# Altium PCB Copy of PCB1.PcbDoc (part 2 of 2)
Units mm, origin at the board's own origin, x right, y up, seen from the top; angles counter-clockwise.
Board outline 92 x 94 mm, 2 copper layers (Top Layer, Bottom Layer); 282 components, 201 nets, 653 pads, 133 vias.
Unrouted connection lines stored in the file: 8.
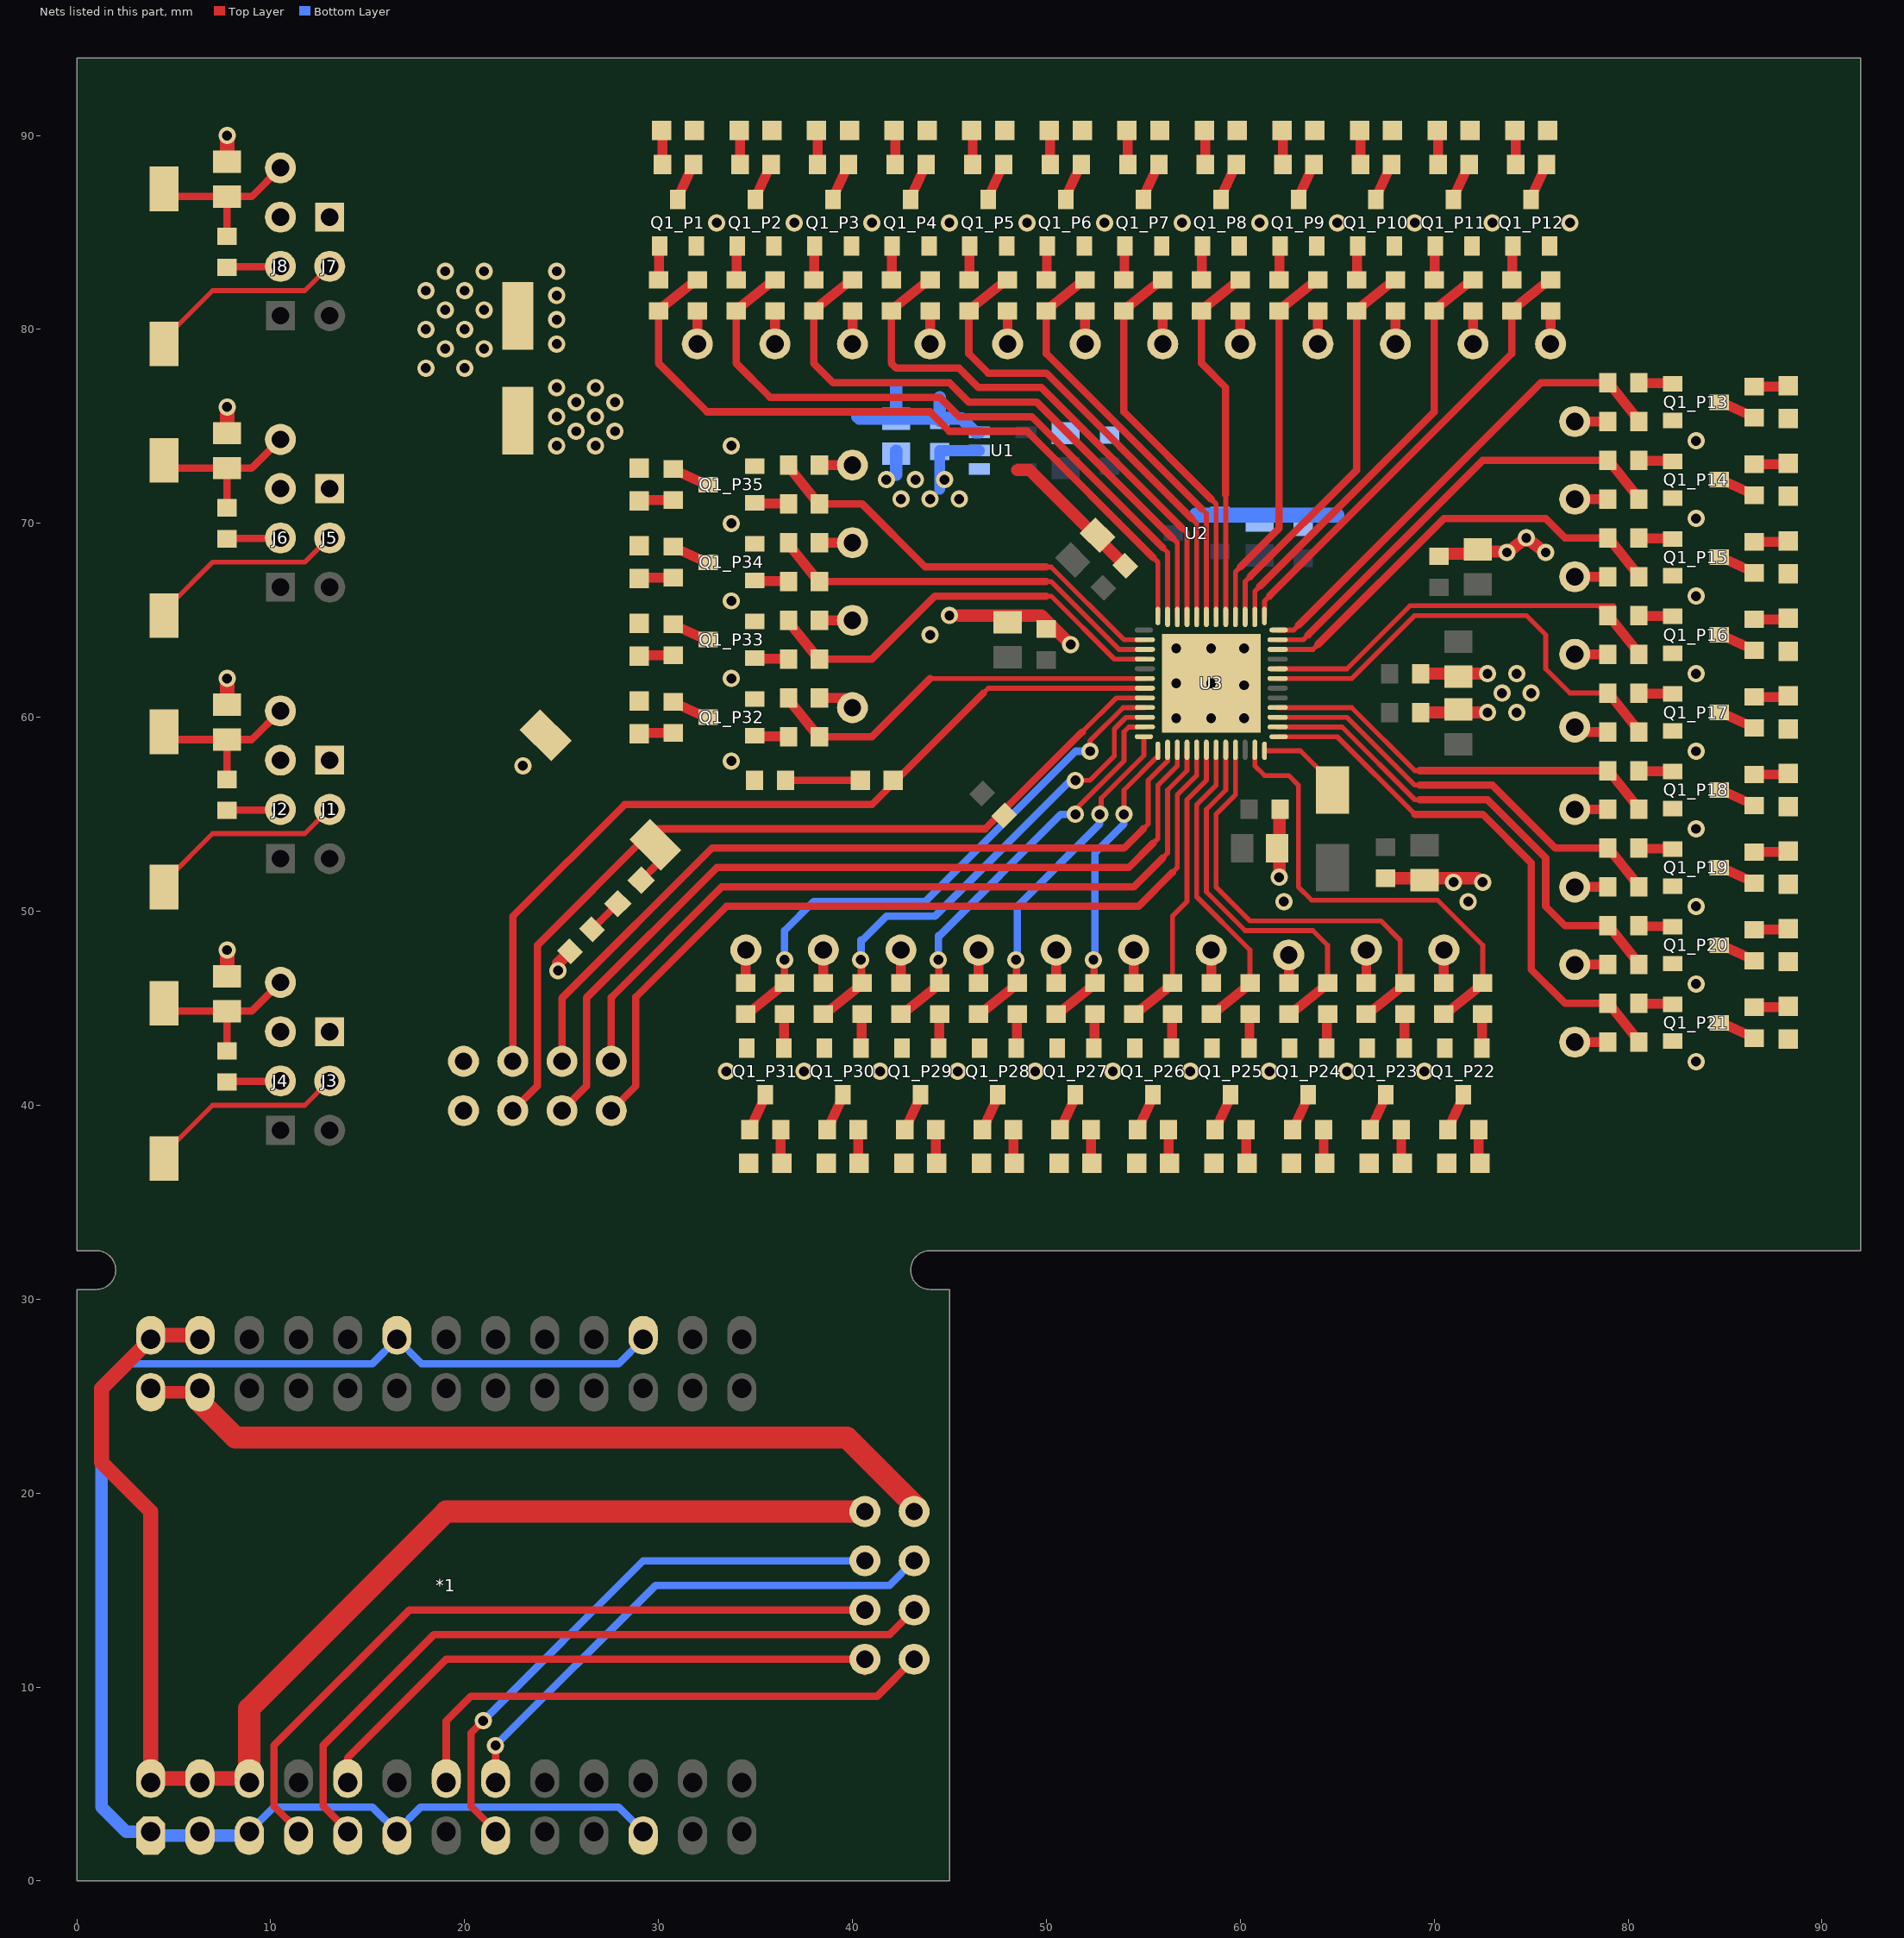
[diagram p2: the nets of this part, all layers, seen from the top]

## Via types
v1: diameter 0.889, hole 0.508, Top Layer to Bottom Layer, tented top, 124 vias
v2: diameter 1.2, hole 0.5, Top Layer to Bottom Layer, tented top, 9 vias

## Nets (pads, with @x,y where several pads share a name; then routed paths per layer and width w, separated by ;. In a path a pad name is that pad's centre, name@x,y a point inside that pad or via, vN(x,y) a via of type N, cw(c..) or ccw(c..) an arc to the next point about the centre after c; other vN are vias at no path point) (continued)
5V0: *1.27 *1.29 C4.1 C7.1 C10.1 D4_P1.2 D4_P2.2 D4_P3.2 D4_P4.2 D4_P5.2 D4_P6.2 D4_P7.2 D4_P8.2 D4_P9.2 D4_P10.2 D4_P11.2 D4_P12.2 D4_P13.2 D4_P14.2 D4_P15.2 D4_P16.2 D4_P17.2 D4_P18.2 D4_P19.2 D4_P20.2 D4_P21.2 D4_P22.2 D4_P23.2 D4_P24.2 D4_P25.2 D4_P26.2 D4_P27.2 D4_P28.2 D4_P29.2 D4_P30.2 D4_P31.2 D4_P32.2 D4_P33.2 D4_P34.2 D4_P35.2 TP2.1 TP4.1 U1.1 U1.3 | length 52.2
  Top Layer w0.635: *1.27@3.81,25.4 4.01,25.2 6.15,25.2 *1.29@6.35,25.4 *1.29@6.35,24.69
  Top Layer w0.889: TP4.1@43.18,19.05 TP4.1@43.18,19.385
  Top Layer w1.143: *1.29@6.35,24.69 8.18,22.86 39.705,22.86 TP4.1@43.18,19.385
  Bottom Layer w0.635: 40.25,75.5 40.35,75.4 C7.1@42.25,75.4 ; 42.25,77 C7.1@42.25,75.4 ; C10.1@44.5,75.3 C10.1@44.5,75.4 ; 44.5,76.5 C10.1@44.5,75.4 ; U1.3@46.55,74.7 46.335,74.7 45.635,75.4 C10.1@44.5,75.4 ; C7.1@42.25,75.4 C10.1@44.5,75.4
  other v1: 24.75,74 26.75,74 25.75,74.75 27.75,74.75 24.75,75.5 26.75,75.5 25.75,76.25 27.75,76.25 24.75,77 26.75,77
CDONE: *1.16 D2.2 TP9.1 TP15.1 U3.7 | length 72.4
  Top Layer w0.254: 46.75,61.25 47,61.5 U3.7@55.075,61.5
  Top Layer w0.381: *1.16@21.59,5.08 v1(21.59,6.985) ; TP15.1@22.48,42.26 22.48,49.73 28.25,55.5 41,55.5 46.75,61.25
  Bottom Layer w0.381: v1(21.59,6.985) 29.845,15.24 41.91,15.24 TP9.1@43.18,16.51
CREST: *1.15 D1.2 R3.1 S4.2 TP10.1 TP16.1 U3.8 | length 79.3
  Top Layer w0.254: 51.85,59.25 53.6,61 U3.8@55.075,61
  Top Layer w0.381: v1(20.955,8.255) 20.32,7.62 20.32,3.86 21.59,2.59 *1.15@21.59,2.54 ; TP10.1@22.48,39.72 23.75,40.99 23.75,48.25 S4.2@29.5,54 ; 28.75,53.25 S4.2@29.5,54 ; D1.2@29.101,51.601 29.979,52.479 29.979,53.271 S4.2@29.828,53.422 ; S4.2@29.75,54 S4.2@29.5,54 ; S4.2@30,54 S4.2@29.5,54 ; 51.85,59.25 46.85,54.25 29.828,54.25 29.75,54.25 S4.2@29.5,54
  Bottom Layer w0.381: v1(20.955,8.255) 29.21,16.51 TP16.1@40.64,16.51
GND: *1.2 *1.4 *1.6 *1.28 *1.30 C1.2 C2.2 C3.2 C4.2 C5.2 C6.2 C7.2 C8.2 C9.2 C10.2 C11.2 C12.2 C13.2 C14.2 C15.2 C16.2 C17.2 C18.2 C19.2 C20.2 C21.2 C22.2 C23.2 C24.2 C25.2 J1.1 J2.3 J3.1 J4.3 J5.1 J6.3 J7.1 J8.3 Q1_P1.2 Q1_P2.2 Q1_P3.2 Q1_P4.2 Q1_P5.2 Q1_P6.2 Q1_P7.2 Q1_P8.2 Q1_P9.2 Q1_P10.2 Q1_P11.2 Q1_P12.2 Q1_P13.2 Q1_P14.2 Q1_P15.2 Q1_P16.2 Q1_P17.2 Q1_P18.2 Q1_P19.2 Q1_P20.2 Q1_P21.2 Q1_P22.2 Q1_P23.2 Q1_P24.2 Q1_P25.2 Q1_P26.2 Q1_P27.2 Q1_P28.2 Q1_P29.2 Q1_P30.2 Q1_P31.2 Q1_P32.2 Q1_P33.2 Q1_P34.2 Q1_P35.2 R4.1 R6.1 S4.1 TP1.1 TP3.1 U1.2 U2.1 U3.49 | length 127.6
  Top Layer w0.635: v1(24.812,46.938) 24.813,47.313 R4.1@25.434,47.934 ; 45.5,65.25 49.75,65.25 v1(51.25,63.75) ; 48.5,72.75 49.131,72.75 C18.2@54.066,67.816 ; C17.2@49.95,64.55 C17.2@50,64.55 ; v1(62,51.75) 62.025,51.775 62.025,55.225 C20.2@62.05,55.25 ; C21.2@67.5,51.7 72.231,51.7 72.431,51.5 v1(72.5,51.5) ; C12.2@69.3,60.25 v1(72.75,60.25) ; C15.2@69.3,62.25 v1(72.75,62.25) ; C19.2@70.25,68.3 70.382,68.433 72.237,68.433 C13.2@72.353,68.549 ; C13.2@72.25,68.65 72.351,68.549 C13.2@72.353,68.549 ; v1(75.75,68.5) v1(74.75,69.25) v1(73.75,68.5) 73.701,68.549 C13.2@72.353,68.549
  Top Layer w0.762: *1.30@6.35,27.94 6.15,28.14 4.01,28.14 *1.28@3.81,27.94 1.27,25.4 1.27,21.59 3.81,19.05 *1.2@3.81,5.08 4.01,5.28 8.69,5.28 *1.6@8.89,5.08 ; C14.2@7.75,46.65 v1(7.75,48) ; C1.2@7.75,60.65 v1(7.75,62) ; C22.2@7.75,74.65 v1(7.75,76) ; C23.2@7.75,88.65 v1(7.75,90)
  Top Layer w0.889: *1.6@8.69,5.28 *1.6@8.89,5.48
  Top Layer w1.143: *1.6@8.89,5.48 8.89,8.89 19.05,19.05 TP1.1@40.64,19.05
  Bottom Layer w0.559: 44.5,71.75 C10.2@44.5,73.7 44.5,73.75 U1.2@46.55,73.75
  Bottom Layer w0.635: 42.25,72.5 C7.2@42.25,73.6 C7.2@42.25,73.75
  Bottom Layer w0.762: 57.725,70.425 64.975,70.425
  other v1: 33.5,41.75 37.5,41.75 41.425,41.75 45.425,41.75 49.425,41.75 53.425,41.75 57.425,41.75 61.5,41.75 65.5,41.75 69.5,41.75 83.5,42.25 83.5,46.25 83.5,50.25 62.25,50.5 71.75,50.5 71,51.5 83.5,54.25 23,57.5 33.75,57.75 83.5,58.25 74.25,60.25 73.5,61.25 75,61.25 33.75,62 74.25,62.25 83.5,62.25 44,64.25 45,65.25 33.75,66 83.5,66.25 33.75,70 83.5,70.25 42.5,71.25 44,71.25 45.5,71.25 41.75,72.25 43.25,72.25 44.75,72.25 33.75,74 83.5,74.25 18,78 20,78 19,79 21,79 24.75,79.25 18,80 20,80 24.75,80.5 19,81 21,81 24.75,81.75 18,82 20,82 19,83 21,83 24.75,83 33,85.5 37,85.5 41,85.5 45,85.5 49,85.5 53,85.5 57,85.5 61,85.5 65,85.5 69,85.5 73,85.5 77,85.5
  other v2: 56.7,59.95 58.5,59.95 60.2,59.95 60.2,61.65 56.7,61.75 58.5,61.75 56.7,63.55 58.5,63.55 60.2,63.55
MISO: *1.9 TP7.1 TP13.1 U3.14 | length 79.8
  Top Layer w0.254: 55,54.25 55.25,54.5 55.25,56.75 56.248,57.748 56.248,58.323 U3.14@56.25,58.325
  Top Layer w0.381: *1.9@13.97,2.54 13.97,2.59 12.7,3.86 12.7,6.985 18.415,12.7 41.91,12.7 TP13.1@43.18,13.97 ; TP7.1@25.02,42.26 25.02,45.52 32.75,53.25 54,53.25 55,54.25
MOSI: *1.10 TP6.1 TP12.1 U3.17 | length 74.8
  Top Layer w0.254: 56.5,52 56.75,52.25 56.75,56 57.75,57 U3.17@57.75,58.325
  Top Layer w0.381: *1.10@13.97,5.08 13.97,6.35 19.05,11.43 TP12.1@40.64,11.43 TP12.1@40.64,10.795 ; TP6.1@27.56,39.72 28.83,40.99 28.83,45.58 33.5,50.25 54.75,50.25 56.5,52
  Bottom Layer w0.381: TP6.1@27.175,40.105 TP6.1@27.56,39.72
Net*1_1: *1.1 *1.3 *1.5 *1.11 *1.21 *1.38 *1.48 | length 82.4
  Bottom Layer w0.381: 2.54,26.67 15.24,26.67 *1.38@16.51,27.94 17.78,26.67 27.94,26.67 *1.48@29.21,27.94 ; *1.5@8.89,2.54 10.16,3.81 15.24,3.81 *1.11@16.51,2.54 16.51,2.59 17.73,3.81 27.94,3.81 *1.21@29.21,2.54
  Bottom Layer w0.635: 2.54,26.67 1.27,25.4 1.27,3.81 2.54,2.54 *1.1@3.81,2.54 4.01,2.34 6.35,2.34 8.69,2.34 *1.5@8.89,2.54
NetC1_1: C1.1 R1.1 S1.2 TP17.1 | length 8.8
  Top Layer w0.381: S1.2@4.5,59.25 4.9,58.85 C1.1@7.75,58.85 ; R1.1@7.75,56.8 C1.1@7.75,58.85 ; TP17.1@10.5,60.33 9.02,58.85 C1.1@7.75,58.85
NetC14_1: C14.1 R2.1 S2.2 TP26.1 | length 8.8
  Top Layer w0.381: S2.2@4.5,45.25 4.9,44.85 C14.1@7.75,44.85 ; R2.1@7.75,42.8 C14.1@7.75,44.85 ; TP26.1@10.5,46.33 9.02,44.85 C14.1@7.75,44.85
NetC22_1: C22.1 R5.1 S3.2 TP28.1 | length 8.8
  Top Layer w0.381: S3.2@4.5,73.25 4.9,72.85 C22.1@7.75,72.85 ; R5.1@7.75,70.8 C22.1@7.75,72.85 ; TP28.1@10.5,74.33 9.02,72.85 C22.1@7.75,72.85
NetC23_1: C23.1 R7.1 S5.2 TP30.1 | length 8.8
  Top Layer w0.381: S5.2@4.5,87.25 4.9,86.85 C23.1@7.75,86.85 ; R7.1@7.75,84.8 C23.1@7.75,86.85 ; TP30.1@10.5,88.33 9.02,86.85 C23.1@7.75,86.85
NetD1_1: D1.1 R4.2 | length 1.9
  Top Layer w0.381: R4.2@26.566,49.066 D1.1@27.899,50.399
NetD2_1: D2.1 R6.2 | length 3.8
  Top Layer w0.381: R6.2@36.55,56.75 D2.1@40.4,56.75
NetD3_1: D3.1 U3.24 | length 4.6
  Top Layer w0.254: U3.24@61.25,58.275 63.1,58.275 64.75,56.625 D3.1@64.75,56.25
NetD4_P1_1: D4_P1.1 R10_P1.2 | length 1.8
  Top Layer w0.508: D4_P1.1@30.15,90.3 30.2,90.3 R10_P1.2@30.2,88.55
NetD4_P2_1: D4_P2.1 R10_P2.2 | length 1.8
  Top Layer w0.508: D4_P2.1@34.15,90.3 34.2,90.3 R10_P2.2@34.2,88.55
NetD4_P3_1: D4_P3.1 R10_P3.2 | length 1.8
  Top Layer w0.508: D4_P3.1@38.15,90.3 38.2,90.3 R10_P3.2@38.2,88.55
NetD4_P4_1: D4_P4.1 R10_P4.2 | length 1.8
  Top Layer w0.508: D4_P4.1@42.15,90.3 42.2,90.3 R10_P4.2@42.2,88.55
NetD4_P5_1: D4_P5.1 R10_P5.2 | length 1.8
  Top Layer w0.508: D4_P5.1@46.15,90.3 46.2,90.3 R10_P5.2@46.2,88.55
NetD4_P6_1: D4_P6.1 R10_P6.2 | length 1.8
  Top Layer w0.508: D4_P6.1@50.15,90.3 50.2,90.3 R10_P6.2@50.2,88.55
NetD4_P7_1: D4_P7.1 R10_P7.2 | length 1.8
  Top Layer w0.508: D4_P7.1@54.15,90.3 54.2,90.3 R10_P7.2@54.2,88.55
NetD4_P8_1: D4_P8.1 R10_P8.2 | length 1.8
  Top Layer w0.508: D4_P8.1@58.15,90.3 58.2,90.3 R10_P8.2@58.2,88.55
NetD4_P9_1: D4_P9.1 R10_P9.2 | length 1.8
  Top Layer w0.508: D4_P9.1@62.15,90.3 62.2,90.3 R10_P9.2@62.2,88.55
NetD4_P10_1: D4_P10.1 R10_P10.2 | length 1.8
  Top Layer w0.508: D4_P10.1@66.15,90.3 66.2,90.3 R10_P10.2@66.2,88.55
NetD4_P11_1: D4_P11.1 R10_P11.2 | length 1.8
  Top Layer w0.508: D4_P11.1@70.15,90.3 70.2,90.3 R10_P11.2@70.2,88.55
NetD4_P12_1: D4_P12.1 R10_P12.2 | length 1.8
  Top Layer w0.508: D4_P12.1@74.15,90.3 74.2,90.3 R10_P12.2@74.2,88.55
NetD4_P13_1: D4_P13.1 R10_P13.2 | length 1.8
  Top Layer w0.508: R10_P13.2@86.55,77.05 88.3,77.05 D4_P13.1@88.3,77.1
NetD4_P14_1: D4_P14.1 R10_P14.2 | length 1.8
  Top Layer w0.508: R10_P14.2@86.55,73.05 88.3,73.05 D4_P14.1@88.3,73.1
NetD4_P15_1: D4_P15.1 R10_P15.2 | length 1.8
  Top Layer w0.508: R10_P15.2@86.55,69.05 88.3,69.05 D4_P15.1@88.3,69.1
NetD4_P16_1: D4_P16.1 R10_P16.2 | length 1.8
  Top Layer w0.508: R10_P16.2@86.55,65.05 88.3,65.05 D4_P16.1@88.3,65.1
NetD4_P17_1: D4_P17.1 R10_P17.2 | length 1.8
  Top Layer w0.508: R10_P17.2@86.55,61.05 88.3,61.05 D4_P17.1@88.3,61.1
NetD4_P18_1: D4_P18.1 R10_P18.2 | length 1.8
  Top Layer w0.508: R10_P18.2@86.55,57.05 88.3,57.05 D4_P18.1@88.3,57.1
NetD4_P19_1: D4_P19.1 R10_P19.2 | length 1.8
  Top Layer w0.508: R10_P19.2@86.55,53.05 88.3,53.05 D4_P19.1@88.3,53.1
NetD4_P20_1: D4_P20.1 R10_P20.2 | length 1.8
  Top Layer w0.508: R10_P20.2@86.55,49.05 88.3,49.05 D4_P20.1@88.3,49.1
NetD4_P21_1: D4_P21.1 R10_P21.2 | length 1.8
  Top Layer w0.508: R10_P21.2@86.55,45.05 88.3,45.05 D4_P21.1@88.3,45.1
NetD4_P22_1: D4_P22.1 R10_P22.2 | length 1.8
  Top Layer w0.508: R10_P22.2@72.3,38.7 72.3,36.95 D4_P22.1@72.35,36.95
NetD4_P23_1: D4_P23.1 R10_P23.2 | length 1.8
  Top Layer w0.508: R10_P23.2@68.3,38.7 68.3,36.95 D4_P23.1@68.35,36.95
NetD4_P24_1: D4_P24.1 R10_P24.2 | length 1.8
  Top Layer w0.508: R10_P24.2@64.3,38.7 64.3,36.95 D4_P24.1@64.35,36.95
NetD4_P25_1: D4_P25.1 R10_P25.2 | length 1.8
  Top Layer w0.508: R10_P25.2@60.3,38.7 60.3,36.95 D4_P25.1@60.35,36.95
NetD4_P26_1: D4_P26.1 R10_P26.2 | length 1.8
  Top Layer w0.508: R10_P26.2@56.3,38.7 56.3,36.95 D4_P26.1@56.35,36.95
NetD4_P27_1: D4_P27.1 R10_P27.2 | length 1.8
  Top Layer w0.508: R10_P27.2@52.3,38.7 52.3,36.95 D4_P27.1@52.35,36.95
NetD4_P28_1: D4_P28.1 R10_P28.2 | length 1.8
  Top Layer w0.508: R10_P28.2@48.3,38.7 48.3,36.95 D4_P28.1@48.35,36.95
NetD4_P29_1: D4_P29.1 R10_P29.2 | length 1.8
  Top Layer w0.508: R10_P29.2@44.3,38.7 44.3,36.95 D4_P29.1@44.35,36.95
NetD4_P30_1: D4_P30.1 R10_P30.2 | length 1.8
  Top Layer w0.508: R10_P30.2@40.3,38.7 40.3,36.95 D4_P30.1@40.35,36.95
NetD4_P31_1: D4_P31.1 R10_P31.2 | length 1.8
  Top Layer w0.508: R10_P31.2@36.3,38.7 36.3,36.95 D4_P31.1@36.35,36.95
NetD4_P32_1: D4_P32.1 R10_P32.2 | length 1.8
  Top Layer w0.508: D4_P32.1@28.95,59.15 28.95,59.2 R10_P32.2@30.7,59.2
NetD4_P33_1: D4_P33.1 R10_P33.2 | length 1.8
  Top Layer w0.508: D4_P33.1@28.95,63.15 28.95,63.2 R10_P33.2@30.7,63.2
NetD4_P34_1: D4_P34.1 R10_P34.2 | length 1.8
  Top Layer w0.508: D4_P34.1@28.95,67.15 28.95,67.2 R10_P34.2@30.7,67.2
NetD4_P35_1: D4_P35.1 R10_P35.2 | length 1.8
  Top Layer w0.508: D4_P35.1@28.95,71.15 28.95,71.2 R10_P35.2@30.7,71.2
NetJ1_2: J1.2 S1.1 | length 9.7
  Top Layer w0.254: S1.1@4.75,51.75 7,54 11.75,54 J1.2@13,55.25
NetJ2_2: J2.2 R1.2 | length 2.8
  Top Layer w0.381: R1.2@7.75,55.2 7.775,55.225 10.475,55.225 J2.2@10.5,55.25
NetJ3_2: J3.2 S2.1 | length 9.7
  Top Layer w0.254: S2.1@4.75,37.75 7,40 11.75,40 J3.2@13,41.25
NetJ4_2: J4.2 R2.2 | length 2.8
  Top Layer w0.381: R2.2@7.75,41.2 7.775,41.225 10.475,41.225 J4.2@10.5,41.25
NetJ5_2: J5.2 S3.1 | length 9.7
  Top Layer w0.254: S3.1@4.75,65.75 7,68 11.75,68 J5.2@13,69.25
NetJ6_2: J6.2 R5.2 | length 2.8
  Top Layer w0.381: R5.2@7.75,69.2 7.775,69.225 10.475,69.225 J6.2@10.5,69.25
NetJ7_2: J7.2 S5.1 | length 9.7
  Top Layer w0.254: S5.1@4.75,79.75 7,82 11.75,82 J7.2@13,83.25
NetJ8_2: J8.2 R7.2 | length 2.8
  Top Layer w0.381: R7.2@7.75,83.2 7.775,83.225 10.475,83.225 J8.2@10.5,83.25
NetQ1_P1_1: Q1_P1.1 R8_P1.2 | length 1.8
  Top Layer w0.508: R8_P1.2@30,82.6 30.025,82.625 30.025,84.375 Q1_P1.1@30.05,84.4
NetQ1_P1_3: Q1_P1.3 R10_P1.1 | length 1.9
  Top Layer w0.508: Q1_P1.3@31,86.8 R10_P1.1@31.8,88.55
NetQ1_P2_1: Q1_P2.1 R8_P2.2 | length 1.8
  Top Layer w0.508: R8_P2.2@34,82.6 34.025,82.625 34.025,84.375 Q1_P2.1@34.05,84.4
NetQ1_P2_3: Q1_P2.3 R10_P2.1 | length 1.9
  Top Layer w0.508: Q1_P2.3@35,86.8 R10_P2.1@35.8,88.55
NetQ1_P3_1: Q1_P3.1 R8_P3.2 | length 1.8
  Top Layer w0.508: R8_P3.2@38,82.6 38.025,82.625 38.025,84.375 Q1_P3.1@38.05,84.4
NetQ1_P3_3: Q1_P3.3 R10_P3.1 | length 1.9
  Top Layer w0.508: Q1_P3.3@39,86.8 R10_P3.1@39.8,88.55
NetQ1_P4_1: Q1_P4.1 R8_P4.2 | length 1.8
  Top Layer w0.508: R8_P4.2@42,82.6 42.025,82.625 42.025,84.375 Q1_P4.1@42.05,84.4
NetQ1_P4_3: Q1_P4.3 R10_P4.1 | length 1.9
  Top Layer w0.508: Q1_P4.3@43,86.8 R10_P4.1@43.8,88.55
NetQ1_P5_1: Q1_P5.1 R8_P5.2 | length 1.8
  Top Layer w0.508: R8_P5.2@46,82.6 46.025,82.625 46.025,84.375 Q1_P5.1@46.05,84.4
NetQ1_P5_3: Q1_P5.3 R10_P5.1 | length 1.9
  Top Layer w0.508: Q1_P5.3@47,86.8 R10_P5.1@47.8,88.55
NetQ1_P6_1: Q1_P6.1 R8_P6.2 | length 1.8
  Top Layer w0.508: R8_P6.2@50,82.6 50.025,82.625 50.025,84.375 Q1_P6.1@50.05,84.4
NetQ1_P6_3: Q1_P6.3 R10_P6.1 | length 1.9
  Top Layer w0.508: Q1_P6.3@51,86.8 R10_P6.1@51.8,88.55
NetQ1_P7_1: Q1_P7.1 R8_P7.2 | length 1.8
  Top Layer w0.508: R8_P7.2@54,82.6 54.025,82.625 54.025,84.375 Q1_P7.1@54.05,84.4
NetQ1_P7_3: Q1_P7.3 R10_P7.1 | length 1.9
  Top Layer w0.508: Q1_P7.3@55,86.8 R10_P7.1@55.8,88.55
NetQ1_P8_1: Q1_P8.1 R8_P8.2 | length 1.8
  Top Layer w0.508: R8_P8.2@58,82.6 58.025,82.625 58.025,84.375 Q1_P8.1@58.05,84.4
NetQ1_P8_3: Q1_P8.3 R10_P8.1 | length 1.9
  Top Layer w0.508: Q1_P8.3@59,86.8 R10_P8.1@59.8,88.55
NetQ1_P9_1: Q1_P9.1 R8_P9.2 | length 1.8
  Top Layer w0.508: R8_P9.2@62,82.6 62.025,82.625 62.025,84.375 Q1_P9.1@62.05,84.4
NetQ1_P9_3: Q1_P9.3 R10_P9.1 | length 1.9
  Top Layer w0.508: Q1_P9.3@63,86.8 R10_P9.1@63.8,88.55
NetQ1_P10_1: Q1_P10.1 R8_P10.2 | length 1.8
  Top Layer w0.508: R8_P10.2@66,82.6 66.025,82.625 66.025,84.375 Q1_P10.1@66.05,84.4
NetQ1_P10_3: Q1_P10.3 R10_P10.1 | length 1.9
  Top Layer w0.508: Q1_P10.3@67,86.8 R10_P10.1@67.8,88.55
NetQ1_P11_1: Q1_P11.1 R8_P11.2 | length 1.8
  Top Layer w0.508: R8_P11.2@70,82.6 70.025,82.625 70.025,84.375 Q1_P11.1@70.05,84.4
NetQ1_P11_3: Q1_P11.3 R10_P11.1 | length 1.9
  Top Layer w0.508: Q1_P11.3@71,86.8 R10_P11.1@71.8,88.55
NetQ1_P12_1: Q1_P12.1 R8_P12.2 | length 1.8
  Top Layer w0.508: R8_P12.2@74,82.6 74.025,82.625 74.025,84.375 Q1_P12.1@74.05,84.4
NetQ1_P12_3: Q1_P12.3 R10_P12.1 | length 1.9
  Top Layer w0.508: Q1_P12.3@75,86.8 R10_P12.1@75.8,88.55
NetQ1_P13_1: Q1_P13.1 R8_P13.2 | length 1.8
  Top Layer w0.508: R8_P13.2@80.6,77.25 80.625,77.225 82.375,77.225 Q1_P13.1@82.4,77.2
NetQ1_P13_3: Q1_P13.3 R10_P13.1 | length 1.9
  Top Layer w0.508: Q1_P13.3@84.8,76.25 R10_P13.1@86.55,75.45
NetQ1_P14_1: Q1_P14.1 R8_P14.2 | length 1.8
  Top Layer w0.508: R8_P14.2@80.6,73.25 80.625,73.225 82.375,73.225 Q1_P14.1@82.4,73.2
NetQ1_P14_3: Q1_P14.3 R10_P14.1 | length 1.9
  Top Layer w0.508: Q1_P14.3@84.8,72.25 R10_P14.1@86.55,71.45
NetQ1_P15_1: Q1_P15.1 R8_P15.2 | length 1.8
  Top Layer w0.508: R8_P15.2@80.6,69.25 80.625,69.225 82.375,69.225 Q1_P15.1@82.4,69.2
NetQ1_P15_3: Q1_P15.3 R10_P15.1 | length 1.9
  Top Layer w0.508: Q1_P15.3@84.8,68.25 R10_P15.1@86.55,67.45
NetQ1_P16_1: Q1_P16.1 R8_P16.2 | length 1.8
  Top Layer w0.508: R8_P16.2@80.6,65.25 80.625,65.225 82.375,65.225 Q1_P16.1@82.4,65.2
NetQ1_P16_3: Q1_P16.3 R10_P16.1 | length 1.9
  Top Layer w0.508: Q1_P16.3@84.8,64.25 R10_P16.1@86.55,63.45
NetQ1_P17_1: Q1_P17.1 R8_P17.2 | length 1.8
  Top Layer w0.508: R8_P17.2@80.6,61.25 80.625,61.225 82.375,61.225 Q1_P17.1@82.4,61.2
NetQ1_P17_3: Q1_P17.3 R10_P17.1 | length 1.9
  Top Layer w0.508: Q1_P17.3@84.8,60.25 R10_P17.1@86.55,59.45
NetQ1_P18_1: Q1_P18.1 R8_P18.2 | length 1.8
  Top Layer w0.508: R8_P18.2@80.6,57.25 80.625,57.225 82.375,57.225 Q1_P18.1@82.4,57.2
NetQ1_P18_3: Q1_P18.3 R10_P18.1 | length 1.9
  Top Layer w0.508: Q1_P18.3@84.8,56.25 R10_P18.1@86.55,55.45